# Altium PCB DAC_Sources.PcbDoc (part 4 of 9)
Units mil, origin at the board's own origin, x right, y up, seen from the top; angles counter-clockwise.
Board outline 10905.51 x 5393.7 mil, 8 copper layers (Top Layer, GND_02, SIG_03, PWR_04, PWR_05, SIG_06, GND_07, Bottom Layer), stack 65.69 mil thick; 663 components, 464 nets, 2338 pads, 2140 vias.
Unrouted connection lines stored in the file: 515.
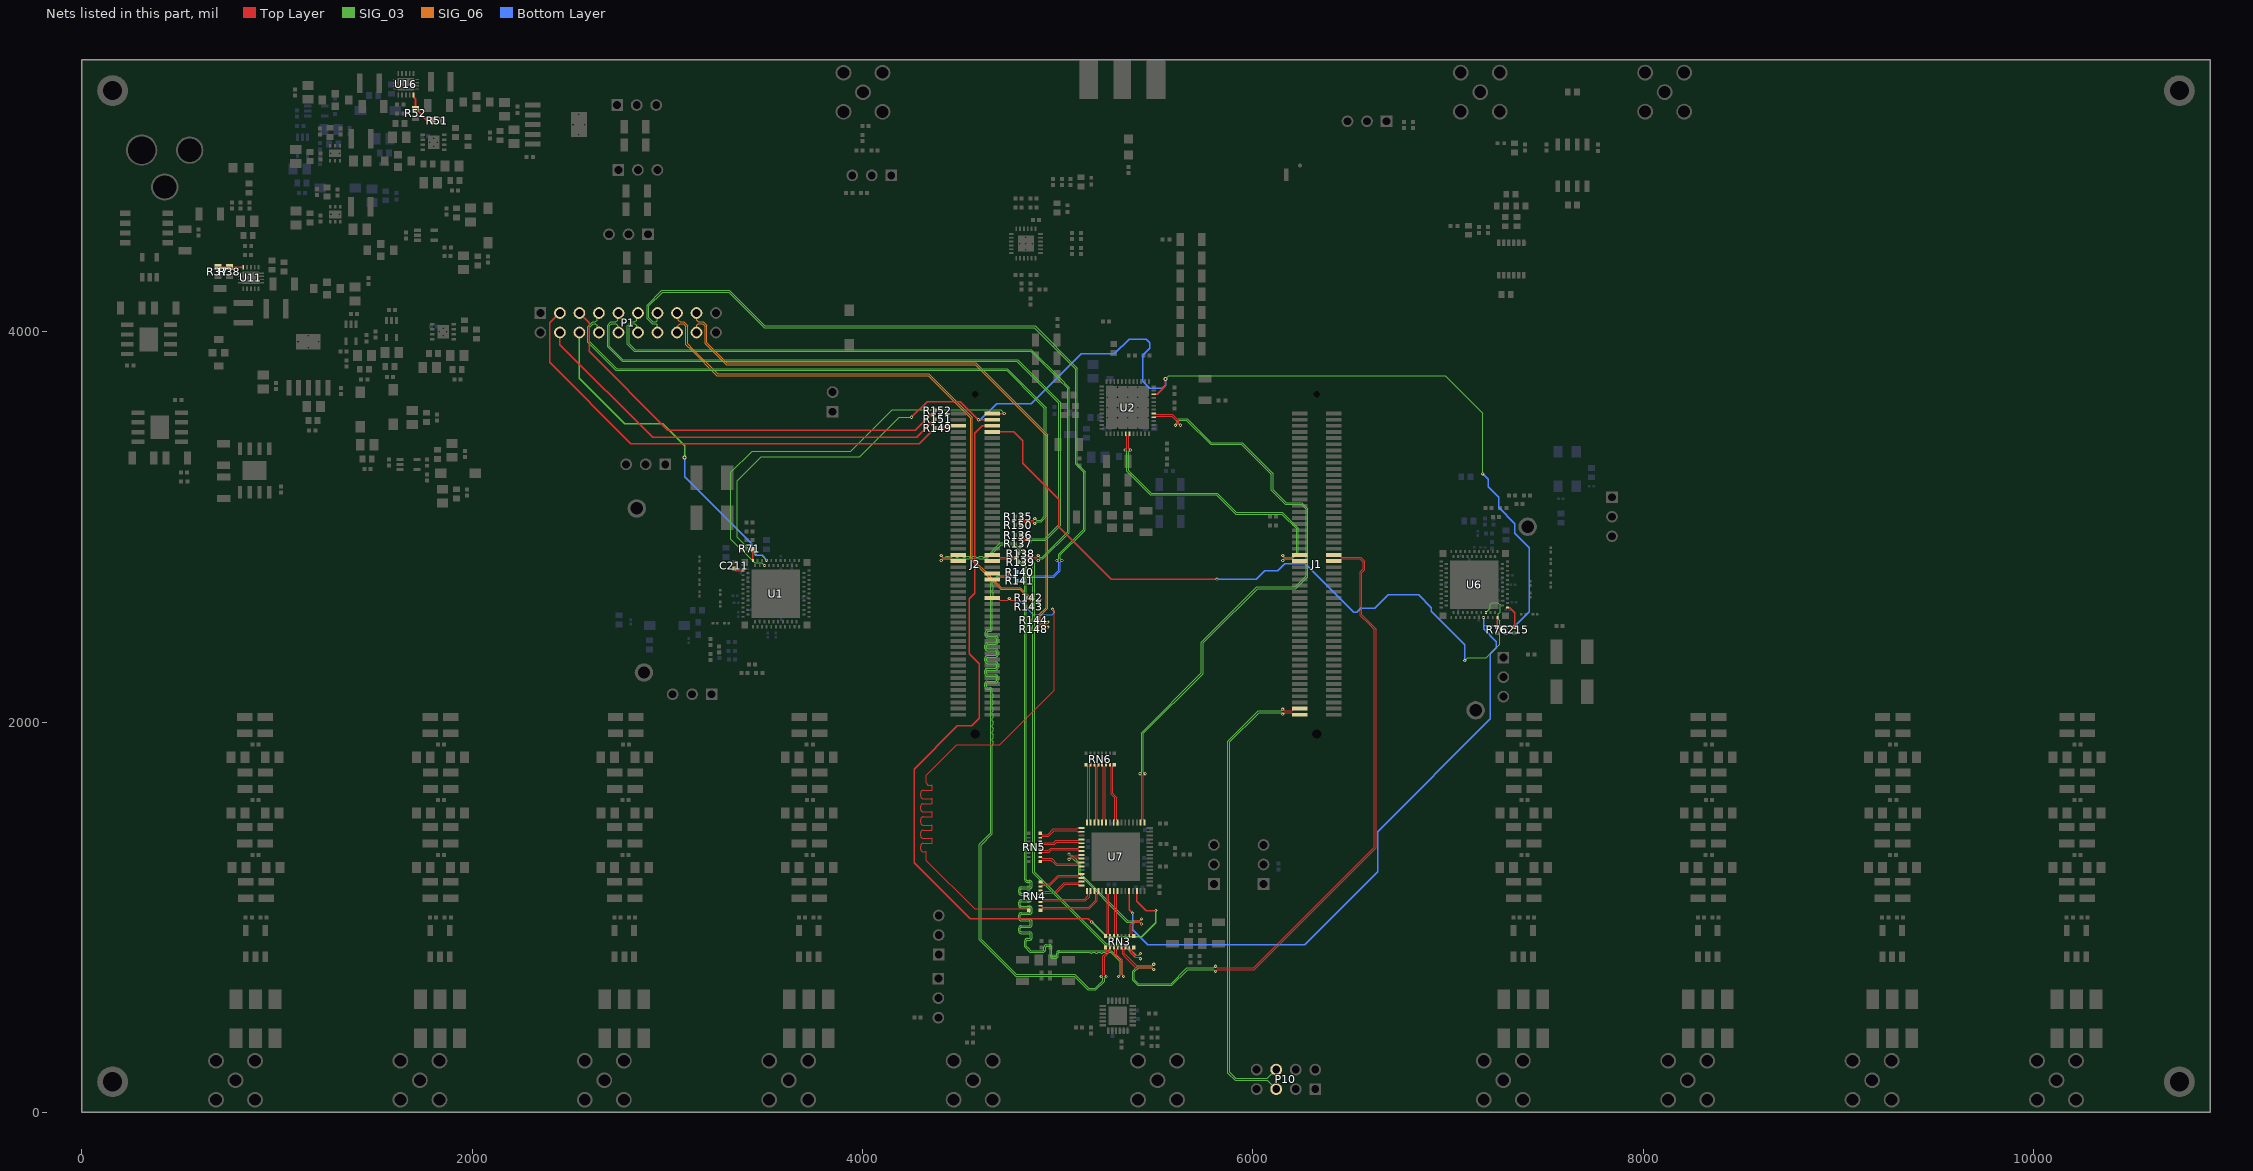
[diagram p10: the nets of this part, all layers, seen from the top]

## Via types
v1: diameter 16, hole 8, Top Layer to Bottom Layer, tented both sides, 1452 vias
v2: diameter 20, hole 10, Top Layer to Bottom Layer, tented both sides, 509 vias
v3: diameter 10, hole 6, Top Layer to Bottom Layer, tented both sides, 65 vias
v4: diameter 23.62, hole 11.81, Top Layer to Bottom Layer, tented top, 59 vias
v5: diameter 24, hole 12, Top Layer to Bottom Layer, tented top, 34 vias
v6: diameter 24, hole 12, Top Layer to Bottom Layer, tented both sides, 15 vias
v7: diameter 23.62, hole 11.81, Top Layer to Bottom Layer, tented both sides, 4 vias
v8: diameter 78.74, hole 39.37, Top Layer to Bottom Layer, tented both sides, 2 vias

## Nets (pads, with @x,y where several pads share a name; then routed paths per layer and width w, separated by ;. In a path a pad name is that pad's centre, name@x,y a point inside that pad or via, vN(x,y) a via of type N, cw(c..) or ccw(c..) an arc to the next point about the centre after c; other vN are vias at no path point) (continued)
ADC_D11_P: J2.61 R142.2 RN4.16 | length 3322.9
  Top Layer w5: J2.61@4664.37,2636.5 4693.9,2636.5 4701.24,2629.15 4701.24,2628.29 4704.28,2625.25 4743.35,2625.25 v1(4751.85,2633.75) 4760.35,2625.25 4792.2,2625.25 4798.87,2618.58 4817.7,2618.58 4824.77,2618.58 4827.7,2621.51 4827.7,2629.48 R142.2@4835.43,2637.22 ; RN4.16@4852.36,1035.91 4850.89,1035.91 4842.8,1043.99 4775.68,1043.99 4574.12,1043.99 4328.01,1290.1 4328.01,1306.3 4328.01,1330.85 ccw(c4323.01,1330.85) 4323.01,1335.85 4312.01,1335.85 cw(c4312.01,1349.85) 4298.01,1349.85 4298.01,1364.85 cw(c4312.01,1364.85) 4312.01,1378.85 4353.01,1378.85 ccw(c4353.01,1383.85) 4358.01,1383.85 4358.01,1398.85 ccw(c4353.01,1398.85) 4353.01,1403.85 4312.01,1403.85 cw(c4312.01,1417.85) 4298.01,1417.85 4298.01,1432.85 cw(c4312.01,1432.85) 4312.01,1446.85 4353.01,1446.85 ccw(c4353.01,1451.85) 4358.01,1451.85 4358.01,1466.85 ccw(c4353.01,1466.85) 4353.01,1471.85 4312.01,1471.85 cw(c4312.01,1485.85) 4298.01,1485.85 4298.01,1500.85 cw(c4312.01,1500.85) 4312.01,1514.85 4353.01,1514.85 ccw(c4353.01,1519.85) 4358.01,1519.85 4358.01,1534.85 ccw(c4353.01,1534.85) 4353.01,1539.85 4312.01,1539.85 cw(c4312.01,1553.85) 4298.01,1553.85 4298.01,1568.85 cw(c4312.01,1568.85) 4312.01,1582.85 4353.01,1582.85 ccw(c4353.01,1587.85) 4358.01,1587.85 4358.01,1602.85 ccw(c4353.01,1602.85) 4353.01,1607.85 4312.01,1607.85 cw(c4312.01,1621.85) 4298.01,1621.85 4298.01,1636.85 cw(c4312.01,1636.85) 4312.01,1650.85 4353.01,1650.85 ccw(c4353.01,1655.85) 4358.01,1655.85 4358.01,1670.85 ccw(c4353.01,1670.85) 4353.01,1675.85 4342.01,1675.85 cw(c4342.01,1689.85) 4328.01,1689.85 4328.01,1696.85 4328.01,1728.92 4483.67,1884.59 4704.28,1884.59 4983.07,2163.39 4983.07,2295.67 4983.07,2456.3 4983.07,2570.63 v1(4974.57,2579.13)
  Bottom Layer w5: v1(4751.85,2633.75) 4760.35,2625.25 4799.89,2625.25 4850.95,2574.19 4874.02,2551.13 4973.57,2551.13 4983.07,2560.63 4983.07,2570.63 v1(4974.57,2579.13)
ADC_D12_N: J2.55 R141.2 RN3.9 | length 3530.4
  Top Layer w5: J2.55@4664.37,2730.98 4693.9,2730.98 4701.24,2738.33 4701.24,2739.04 4704.44,2742.23 4743.35,2742.23 v1(4751.85,2733.73) ; v1(5222.63,697.24) 5231.13,705.74 5231.13,801.21 5236.4,806.48 5240.38,810.46 5252.43,822.51 5252.43,835.4 5251.22,836.61 5251.22,839.8 RN3.9@5245.35,845.67
  SIG_03 w4: v1(4751.85,2733.73) 4743.35,2742.23 4696.85,2742.23 4665.75,2711.13 4665.75,2700.23 4670.99,2694.99 4670.99,2682 4665.75,2676.76 4665.75,2665.85 4670.99,2660.62 4670.99,2647.62 4665.75,2642.39 4665.75,2612.52 4665.75,2478.79 cw(c4651.95,2478.79) 4651.95,2464.99 4642.96,2464.99 ccw(c4642.96,2460.19) 4638.16,2460.19 4638.16,2445.79 ccw(c4642.96,2445.79) 4642.96,2440.99 4681.95,2440.99 cw(c4681.95,2427.19) 4695.75,2427.19 4695.75,2412.79 cw(c4681.95,2412.79) 4681.95,2398.99 4640.55,2398.99 ccw(c4640.55,2394.19) 4635.75,2394.19 4635.75,2379.79 ccw(c4640.55,2379.79) 4640.55,2374.99 4681.95,2374.99 cw(c4681.95,2361.19) 4695.75,2361.19 4695.75,2346.79 cw(c4681.95,2346.79) 4681.95,2332.99 4640.55,2332.99 ccw(c4640.55,2328.19) 4635.75,2328.19 4635.75,2313.79 ccw(c4640.55,2313.79) 4640.55,2308.99 4681.95,2308.99 cw(c4681.95,2295.19) 4695.75,2295.19 4695.75,2280.79 cw(c4681.95,2280.79) 4681.95,2266.99 4640.55,2266.99 ccw(c4640.55,2262.19) 4635.75,2262.19 4635.75,2247.79 ccw(c4640.55,2247.79) 4640.55,2242.99 4681.95,2242.99 cw(c4681.95,2229.19) 4695.75,2229.19 4695.75,2214.79 cw(c4681.95,2214.79) 4681.95,2200.99 4640.55,2200.99 ccw(c4640.55,2196.19) 4635.75,2196.19 4635.75,2181.79 ccw(c4640.55,2181.79) 4640.55,2176.99 4651.95,2176.99 cw(c4651.95,2163.19) 4665.75,2163.19 4665.75,2156.69 4665.75,2145.79 4670.99,2140.55 4670.99,2127.56 4665.75,2122.32 4665.75,2111.42 4670.99,2106.18 4670.99,2093.19 4665.75,2087.95 4665.75,2077.05 4670.99,2071.81 4670.99,2058.82 4665.75,2053.58 4665.75,2042.67 4670.99,2037.44 4670.99,2024.44 4665.75,2019.21 4665.75,2008.3 4670.99,2003.06 4670.99,1990.07 4665.75,1984.83 4665.75,1973.93 4670.99,1968.69 4670.99,1955.7 4665.75,1950.46 4665.75,1939.56 4670.99,1934.32 4670.99,1921.33 4665.75,1916.09 4665.75,1905.19 4670.99,1899.95 4670.99,1886.96 4665.75,1881.72 4665.75,1428.61 4607.48,1370.34 4607.48,888.32 4788.32,707.48 5087.8,707.48 5158.66,636.61 5192.78,636.61 5231.13,674.96 5231.13,688.74 v1(5222.63,697.24)
  Bottom Layer w5: v1(4751.85,2733.73) 4760.35,2742.23 4766.12,2742.23 ; 4769.85,2742.23 4766.12,2742.23 ; R141.2@4789.76,2723.62 4771.15,2742.23 4766.12,2742.23
ADC_D12_P: J2.53 R140.2 RN3.10 | length 3527.2
  Top Layer w5: J2.53@4664.37,2762.48 4693.9,2762.48 4701.24,2755.14 4701.24,2754.27 4704.28,2751.23 4743.35,2751.23 v1(4751.85,2759.73) ; 5240.13,744.26 5240.13,705.74 v1(5248.63,697.24) ; 5240.13,744.92 5240.13,797.48 5249.38,806.73 5261.43,818.78 5261.43,834.39 5265.37,838.33 5266.08,838.33 5268.5,840.75 RN3.10@5268.5,845.67
  SIG_03 w4: v1(4751.85,2759.73) 4743.35,2751.23 4693.12,2751.23 4656.75,2714.86 4656.75,2612.52 4656.75,2478.79 cw(c4651.95,2478.79) 4651.95,2473.99 4642.96,2473.99 ccw(c4642.96,2460.19) 4629.16,2460.19 4629.16,2445.79 ccw(c4642.96,2445.79) 4642.96,2431.99 4681.95,2431.99 cw(c4681.95,2427.19) 4686.75,2427.19 4686.75,2412.79 cw(c4681.95,2412.79) 4681.95,2407.99 4640.55,2407.99 ccw(c4640.55,2394.19) 4626.75,2394.19 4626.75,2379.79 ccw(c4640.55,2379.79) 4640.55,2365.99 4681.95,2365.99 cw(c4681.95,2361.19) 4686.75,2361.19 4686.75,2346.79 cw(c4681.95,2346.79) 4681.95,2341.99 4640.55,2341.99 ccw(c4640.55,2328.19) 4626.75,2328.19 4626.75,2313.79 ccw(c4640.55,2313.79) 4640.55,2299.99 4681.95,2299.99 cw(c4681.95,2295.19) 4686.75,2295.19 4686.75,2280.79 cw(c4681.95,2280.79) 4681.95,2275.99 4640.55,2275.99 ccw(c4640.55,2262.19) 4626.75,2262.19 4626.75,2247.79 ccw(c4640.55,2247.79) 4640.55,2233.99 4681.95,2233.99 cw(c4681.95,2229.19) 4686.75,2229.19 4686.75,2214.79 cw(c4681.95,2214.79) 4681.95,2209.99 4640.55,2209.99 ccw(c4640.55,2196.19) 4626.75,2196.19 4626.75,2181.79 ccw(c4640.55,2181.79) 4640.55,2167.99 4651.95,2167.99 cw(c4651.95,2163.19) 4656.75,2163.19 4656.75,2156.69 4656.75,1432.34 4598.48,1374.07 4598.48,884.59 4784.59,698.48 5084.07,698.48 5154.93,627.61 5196.51,627.61 5240.13,671.23 5240.13,688.74 v1(5248.63,697.24)
  Bottom Layer w5: v1(4751.85,2759.73) 4760.35,2751.23 4772.89,2751.23 R140.2@4789.76,2768.11
ADC_D13_N: J2.49 R139.2 RN3.11 | length 3530.3
  Top Layer w5: J2.49@4664.37,2825.47 4693.9,2825.47 4701.24,2832.81 4701.24,2833.52 4704.44,2836.72 4743.35,2836.72 v1(4751.85,2828.22) 4760.35,2836.72 4777.06,2836.72 R139.2@4795.28,2818.5 ; RN3.11@5288.19,845.67 5288.19,840.75 5293.53,835.41 5293.53,805.68 5298.8,800.41 5320.89,778.32 5320.89,705.74 v1(5312.39,697.24)
  SIG_03 w4: v1(4751.85,2828.22) 4760.35,2836.72 4783.75,2836.72 4803.94,2816.54 4824.73,2795.75 4830.31,2790.16 4830.31,1200.16 4830.31,1193.66 ccw(c4844.11,1193.66) 4844.11,1179.86 4855.52,1179.86 cw(c4855.52,1175.06) 4860.32,1175.06 4860.31,1160.66 cw(c4855.52,1160.66) 4855.52,1155.86 4814.11,1155.86 ccw(c4814.11,1142.06) 4800.31,1142.06 4800.31,1127.66 ccw(c4814.11,1127.66) 4814.11,1113.86 4855.52,1113.86 cw(c4855.52,1109.06) 4860.32,1109.06 4860.31,1094.66 cw(c4855.52,1094.66) 4855.52,1089.86 4814.11,1089.86 ccw(c4814.11,1076.06) 4800.31,1076.06 4800.31,1061.66 ccw(c4814.11,1061.66) 4814.11,1047.86 4855.52,1047.86 cw(c4855.52,1043.06) 4860.32,1043.06 4860.31,1028.66 cw(c4855.52,1028.66) 4855.52,1023.86 4814.11,1023.86 ccw(c4814.11,1010.06) 4800.31,1010.06 4800.31,995.66 ccw(c4814.11,995.66) 4814.11,981.86 4855.52,981.86 cw(c4855.52,977.06) 4860.32,977.06 4860.31,962.66 cw(c4855.52,962.66) 4855.52,957.86 4814.11,957.86 ccw(c4814.11,944.06) 4800.31,944.06 4800.31,929.66 ccw(c4814.11,929.66) 4814.11,915.86 4855.52,915.86 cw(c4855.52,911.06) 4860.32,911.06 4860.31,896.66 cw(c4855.52,896.66) 4855.52,891.86 4844.11,891.86 ccw(c4844.11,878.06) 4830.31,878.06 4830.31,848.03 4835.59,842.76 4852.21,826.14 4857.48,820.87 4917.72,820.87 4924.22,820.87 ccw(c4924.22,834.67) 4938.02,834.67 4938.02,846.07 cw(c4942.82,846.07) 4942.82,850.87 4957.22,850.87 cw(c4957.22,846.07) 4962.02,846.07 4962.02,804.67 ccw(c4975.82,804.67) 4975.82,790.87 4990.22,790.87 ccw(c4990.22,804.67) 5004.02,804.67 5004.02,816.07 cw(c5008.82,816.07) 5008.82,820.87 5108.66,820.87 5164.59,820.87 5168.92,816.55 5175.95,816.55 5180.33,820.93 5191.3,820.93 5195.69,816.55 5202.72,816.55 5207.1,820.93 5218.07,820.93 5222.46,816.55 5229.49,816.55 5233.88,820.93 5244.84,820.93 5249.23,816.55 5256.26,816.55 5260.65,820.93 5271.62,820.93 ; 5271.68,820.87 5320.89,771.65 5320.89,705.74 v1(5312.39,697.24)
ADC_D13_P: J2.47 R138.2 RN3.12 | length 3530.1
  Top Layer w5: J2.47@4664.37,2856.97 4693.9,2856.97 4701.24,2849.63 4701.24,2848.76 4704.28,2845.72 4743.35,2845.72 v1(4751.85,2854.22) 4760.35,2845.72 4777.22,2845.72 R138.2@4795.28,2863.78 ; RN3.12@5307.87,845.67 5307.87,840.75 5302.53,835.41 5302.53,809.41 5329.89,782.05 5329.89,744.92 ; 5329.89,744.26 5329.89,705.74 v1(5338.39,697.24)
  SIG_03 w4: v1(4751.85,2854.22) 4760.35,2845.72 4787.48,2845.72 4810.3,2822.9 4816.66,2816.54 4839.31,2793.89 4839.31,1200.16 4839.31,1193.66 ccw(c4844.11,1193.66) 4844.11,1188.86 4855.52,1188.86 cw(c4855.52,1175.06) 4869.32,1175.06 4869.31,1160.66 cw(c4855.52,1160.66) 4855.52,1146.86 4814.11,1146.86 ccw(c4814.11,1142.06) 4809.31,1142.06 4809.31,1127.66 ccw(c4814.11,1127.66) 4814.11,1122.86 4855.52,1122.86 cw(c4855.52,1109.06) 4869.32,1109.06 4869.31,1094.66 cw(c4855.52,1094.66) 4855.52,1080.86 4814.11,1080.86 ccw(c4814.11,1076.06) 4809.31,1076.06 4809.31,1061.66 ccw(c4814.11,1061.66) 4814.11,1056.86 4855.52,1056.86 cw(c4855.52,1043.06) 4869.32,1043.06 4869.31,1028.66 cw(c4855.52,1028.66) 4855.52,1014.86 4814.11,1014.86 ccw(c4814.11,1010.06) 4809.31,1010.06 4809.31,995.66 ccw(c4814.11,995.66) 4814.11,990.86 4855.52,990.86 cw(c4855.52,977.06) 4869.32,977.06 4869.31,962.66 cw(c4855.52,962.66) 4855.52,948.86 4814.11,948.86 ccw(c4814.11,944.06) 4809.31,944.06 4809.31,929.66 ccw(c4814.11,929.66) 4814.11,924.86 4855.52,924.86 cw(c4855.52,911.06) 4869.32,911.06 4869.31,896.66 cw(c4855.52,896.66) 4855.52,882.86 4844.11,882.86 ccw(c4844.11,878.06) 4839.31,878.06 4839.31,851.76 4839.95,851.12 4848.31,842.76 4861.21,829.87 4917.72,829.87 4924.22,829.87 ccw(c4924.22,834.67) 4929.02,834.67 4929.02,846.07 cw(c4942.82,846.07) 4942.82,859.87 4957.22,859.87 cw(c4957.22,846.07) 4971.02,846.07 4971.02,804.67 ccw(c4975.82,804.67) 4975.82,799.87 4990.22,799.87 ccw(c4990.22,804.67) 4995.02,804.67 4995.02,816.07 cw(c5008.82,816.07) 5008.82,829.87 5108.66,829.87 5275.41,829.87 5329.89,775.38 5329.89,705.74 v1(5338.39,697.24)
ADC_DCLK_N: J2.50 RN3.15 | length 3049.7
  Top Layer w5: v1(4403.66,2828.22) 4412.16,2836.72 4451.08,2836.72 4454.27,2833.52 4454.27,2832.81 4461.61,2825.47 J2.50@4491.14,2825.47 ; RN3.15@5366.93,845.67 5366.93,840.75 5369.35,838.33 5370.07,838.33 5374,834.39 5374,817.2 5394.91,796.3 5415.12,796.3 v1(5423.62,787.8)
  SIG_03 w4: v1(4403.66,2828.22) 4412.16,2836.72 4638.03,2836.72 4710.37,2909.06 4775.2,2909.06 4872.89,2811.36 4872.89,1227.37 5245.88,854.39 5340.62,854.39 5398.71,796.3 5415.12,796.3 v1(5423.62,787.8)
ADC_DCLK_P: J2.48 RN3.16 | length 3060.3
  Top Layer w5: v1(4403.66,2854.22) 4412.16,2845.72 4451.23,2845.72 4454.27,2848.76 4454.27,2849.63 4461.61,2856.97 J2.48@4491.14,2856.97 ; RN3.16@5390.08,845.67 5384.21,839.8 5384.21,836.61 5383,835.4 5383,820.93 5398.64,805.3 5415.12,805.3 v1(5423.62,813.8)
  SIG_03 w4: v1(4403.66,2854.22) 4412.16,2845.72 4423.07,2845.72 4428.3,2850.96 4441.3,2850.96 4446.53,2845.72 ; 4446.69,2845.72 4457.6,2845.72 4462.83,2850.96 4475.83,2850.96 4481.06,2845.72 4491.97,2845.72 4497.21,2850.96 4510.2,2850.96 4515.44,2845.72 4526.34,2845.72 4531.58,2850.96 4544.57,2850.96 4549.81,2845.72 4560.71,2845.72 4565.95,2850.96 4578.94,2850.96 4584.18,2845.72 4595.08,2845.72 4600.32,2850.96 4613.31,2850.96 4618.55,2845.72 4634.3,2845.72 4706.64,2918.06 4778.92,2918.06 4881.89,2815.09 4881.89,1231.1 5249.61,863.39 5344.35,863.39 5402.44,805.3 5415.12,805.3 v1(5423.62,813.8)
ADC_OR_N: J1.49 RN3.13 | length 3574.5
  Top Layer w5: RN3.13@5327.56,845.67 5327.56,840.75 5332.9,835.41 5332.9,810.28 5344.03,799.15 5401.39,741.79 5484.06,741.79 v1(5492.56,733.29) ; v1(5809.06,749.21) 5817.56,740.71 6004.1,740.71 6622.44,1359.06 6622.44,2473.49 6592.85,2503.08 6550,2545.93 6550,2770.08 6565.35,2785.43 6565.35,2820.47 6553.94,2831.89 6549.11,2836.72 6464.97,2836.72 6454.17,2836.72 6451.24,2833.79 6451.24,2832.81 6443.9,2825.47 J1.49@6414.37,2825.47
  SIG_03 w4: v1(5492.56,733.29) 5484.06,741.79 5415.02,741.79 5393.7,720.47 5393.7,680.31 5413.39,660.63 5582.15,660.63 5662.24,740.71 5800.56,740.71 v1(5809.06,749.21)
ADC_OR_P: J1.47 RN3.14 | length 3618.6
  Top Layer w5: RN3.14@5347.24,845.67 5347.24,840.75 5341.9,835.41 5341.9,814 5350.39,805.51 5359.1,796.8 5405.12,750.79 5444.88,750.79 ; 5445.54,750.79 5484.06,750.79 v1(5492.56,759.29) ; v1(5809.06,723.21) 5817.56,731.71 6007.83,731.71 6631.44,1355.33 6631.44,2477.22 6559,2549.66 6559,2766.35 6574.35,2781.71 6574.35,2824.2 6552.83,2845.72 6461.24,2845.72 6454.17,2845.72 6451.24,2848.65 6451.24,2849.63 6443.9,2856.97 J1.47@6414.37,2856.97
  SIG_03 w4: v1(5492.56,759.29) 5484.06,750.79 5411.29,750.79 5384.7,724.2 5384.7,676.59 5407.02,654.27 5409.66,651.63 5585.88,651.63 5665.96,731.71 5800.56,731.71 v1(5809.06,723.21)
ADCCLK_N: U2.17 U7.2 | length 3164.6
  Top Layer w5: v1(5422.04,1735.43) 5430.54,1726.93 5430.54,1501.81 5425.2,1496.47 U7.2@5425.2,1485.47 ; U2.17@5492.91,3581.89 5500,3581.89 5502.22,3579.67 5502.22,3579.48 5505.15,3576.55 5588.41,3576.55 5621.04,3543.93 5621.04,3529.76 v1(5629.54,3521.26)
  SIG_03 w4: v1(5422.04,1735.43) 5430.54,1743.93 5430.54,1946.81 5736.61,2252.89 5736.61,2409.45 5741.89,2414.72 5781.5,2454.33 6015.2,2688.03 6020.47,2693.31 6216.54,2693.31 6273.23,2750 6273.23,3090.55 6247.98,3115.8 6167.27,3115.8 6095.72,3187.35 6095.72,3269.63 5941.73,3423.62 5783.46,3423.62 5660.24,3546.85 5624.95,3546.85 5621.04,3542.93 5621.04,3529.76 v1(5629.54,3521.26)
ADCCLK_P: U2.16 U7.1 | length 3179.5
  Top Layer w5: U7.1@5444.88,1485.47 5444.88,1496.47 5439.54,1501.81 5439.54,1726.93 v1(5448.04,1735.43) ; U2.16@5492.91,3562.2 5500,3562.2 5502.22,3564.43 5502.22,3564.62 5505.15,3567.55 5584.69,3567.55 5612.04,3540.2 5612.04,3529.76 v1(5603.54,3521.26)
  SIG_03 w4: v1(5448.04,1735.43) 5439.54,1743.93 5439.54,1943.08 5745.61,2249.16 5745.61,2405.72 5790.5,2450.6 6024.2,2684.31 6220.26,2684.31 6282.23,2746.27 6282.23,3094.28 6251.7,3124.8 6171,3124.8 6104.72,3191.07 6104.72,3273.36 5945.46,3432.62 5787.19,3432.62 5663.96,3555.85 5621.23,3555.85 5612.04,3546.66 5612.04,3529.76 v1(5603.54,3521.26)
BIASJ_DAC1: R71.1 U1.A33 | length 59.1
  Top Layer w7.5: U1.A33@3438.19,2827.48 R71.1@3438.19,2886.61
BIASJ_DAC2: R76.1 U6.A33 | length 47.3
  Top Layer w7.5: R76.1@7251.97,2488.58 7253.15,2489.76 U6.A33@7253.15,2535.43
CS_DAC1: J2.1 U1.B28 | length 2174.2
  Top Layer w7.5: J2.1@4664.37,3581.38 v1(4726.65,3581.38)
  SIG_03 w6: v3@3496.41,2801.89 v3(3497.24,2801.89) 3482.99,2816.14 3448.03,2816.14 3325.98,2938.19 3325.98,3279.92 3434.25,3388.19 3939.76,3388.19 4152.36,3600.79 4707.24,3600.79 v1(4726.65,3581.38)
CS_DAC2: J2.7 U6.B28 | length 3787.6
  Top Layer w7.5: J2.7@4664.37,3486.89 4775.71,3486.89 4821.65,3440.94 4821.65,3327.56 5005.91,3143.31 5005.91,3002.36 5275.2,2733.07 v1(5816.54,2733.07)
  SIG_03 w6: v1(7086.22,2314.96) 7101.57,2330.31 7196.85,2330.31 7266.54,2400 7266.54,2519.29 7258.66,2527.17 7258.66,2554.72 7267.06,2563.12 7267.06,2600.73 7254.79,2612.99 7226.38,2612.99 7217.32,2603.94 7217.32,2584.25 v3(7194.09,2561.02)
  Bottom Layer w7.5: v1(5816.54,2733.07) 6018.72,2733.07 6062.01,2776.36 6127.26,2776.36 6163.28,2812.39 6268.72,2812.39 6516.93,2564.17 6533.07,2564.17 6551.97,2583.07 6625.2,2583.07 6694.09,2651.97 6849.61,2651.97 6914.89,2586.68 6914.89,2568.57 7086.22,2397.24 v1(7086.22,2314.96)
CS_EXTERNAL_COMP: J2.6 R149.1 | length 95.2
  Top Layer w7.5: R149.1@4400.79,3506.69 4418.5,3506.69 4430.2,3518.39 J2.6@4491.14,3518.39
CSB_ADC: J2.5 U7.46 | length 4176.4
  Top Layer w7.5: J2.5@4664.37,3518.39 4614.45,3518.39 4576.38,3480.32 4576.38,2660.24 4547.64,2631.5 4547.64,2351.57 4598.82,2300.39 4598.82,2020.87 4558.66,1980.71 4486.22,1980.71 4264.57,1759.06 4264.57,1279.92 4551.57,992.91 5157.87,992.91 v1(5174.8,975.98) ; U7.46@5405.51,1135.47 5405.51,1083.07 5454.33,1034.25 v1(5503.15,1034.25)
  SIG_03 w7.5: v1(5174.8,975.98) 5250.79,900 5431.1,900 5503.15,972.05 v1(5503.15,1034.25)
DCLK_N: RN3.2 U7.24 | length 741.2
  Top Layer w5: v1(5058.22,1323.47) 5066.72,1314.97 5105.9,1314.97 5111.24,1320.31 U7.24@5122.24,1320.31 ; RN3.2@5366.93,904.72 5366.93,909.65 5369.35,912.07 5370.07,912.07 5372.99,915 5372.99,961.18 5395.06,983.25 5420.24,983.25 v1(5428.74,991.75)
  SIG_03 w4: v1(5058.22,1323.47) 5066.72,1314.97 5076.17,1314.97 5116.48,1274.66 5116.48,1225.78 5359.01,983.25 5420.24,983.25 v1(5428.74,991.75)
DCLK_P: RN3.1 U7.25 | length 726
  Top Layer w5: v1(5058.22,1297.47) 5066.72,1305.97 5105.24,1305.97 ; 5105.9,1305.97 5111.24,1300.63 U7.25@5122.24,1300.63 ; RN3.1@5390.08,904.72 5390.08,906.2 5381.99,914.28 5381.99,957.46 5398.79,974.25 5420.24,974.25 v1(5428.74,965.75)
  SIG_03 w4: v1(5058.22,1297.47) 5066.72,1305.97 5072.44,1305.97 5107.48,1270.93 5107.48,1222.05 5355.28,974.25 5420.24,974.25 v1(5428.74,965.75)
DEF1: R37.1 R38.2 U11.5 | length 129.7
  Top Layer w9: R37.1@697.64,4331.89 698.03,4331.5 U11.5@827.17,4331.5
DEF2: R51.1 R52.2 U16.5 | length 188.2
  Top Layer w9: U16.5@1700.2,5213.39 1700.42,5213.16 1700.42,5201.94 1710.24,5192.13 R52.2@1710.24,5142.52
  Top Layer w10: R52.2@1710.24,5142.52 1770.47,5082.28 R51.1@1798.43,5082.28
DOUT0_N: RN6.8 U7.8 | length 310.1
  Top Layer w5: RN6.8@5290.51,1781.5 5290.51,1780.02 5282.43,1771.94 5282.43,1634.63 5296.47,1620.59 5301.74,1615.31 5301.74,1501.81 ; U7.8@5303.47,1501.25 U7.8@5306.69,1498.03 ; U7.8@5304.59,1487.97 U7.8@5307.09,1485.47 U7.8@5307.09,1496.47
DOUT0_P: RN6.7 U7.9 | length 309.2
  Top Layer w5: RN6.7@5267.36,1781.5 5267.36,1776.57 5269.78,1774.15 5270.5,1774.15 5273.43,1771.22 5273.43,1630.9 5292.74,1611.59 5292.74,1501.81 5287.4,1496.47 U7.9@5287.4,1485.47
DOUT1_N: RN6.6 U7.11 | length 300.3
  Top Layer w5: RN6.6@5247.68,1781.5 5247.68,1776.57 5242.69,1771.59 5242.69,1501.81 5248.03,1496.47 U7.11@5248.03,1485.47
DOUT1_P: RN6.5 U7.12 | length 300.6
  Top Layer w5: RN6.5@5227.99,1781.5 5227.99,1776.57 5233.69,1770.88 5233.69,1501.81 5228.35,1496.47 U7.12@5228.35,1485.47
DOUT2_N: RN6.4 U7.13 | length 300.3
  Top Layer w5: RN6.4@5208.31,1781.5 5208.31,1776.57 5203.32,1771.59 5203.32,1501.81 5208.66,1496.47 U7.13@5208.66,1485.47
DOUT2_P: RN6.3 U7.14 | length 300.8
  Top Layer w5: RN6.3@5188.62,1781.5 5188.62,1776.57 5191.04,1774.15 5191.39,1774.15 5194.32,1771.22 5194.32,1501.81 5188.98,1496.47 U7.14@5188.98,1485.47
DOUT3_N: RN6.2 U7.15 | length 300.3
  Top Layer w5: RN6.2@5168.94,1781.5 5168.94,1776.57 5163.95,1771.59 5163.95,1501.81 5169.29,1496.47 U7.15@5169.29,1485.47
DOUT3_P: RN6.1 U7.16 | length 302
  Top Layer w5: RN6.1@5145.79,1781.5 5154.95,1772.33 5154.95,1501.81 5149.61,1496.47 U7.16@5149.61,1485.47
DOUT4_N: RN5.8 U7.17 | length 228.7
  Top Layer w5: RN5.8@4910.63,1431.02 4916.5,1425.16 4919.69,1425.16 4920.9,1423.95 4949.93,1423.95 4978.75,1452.77 5098.4,1452.77 5103.74,1458.11 U7.17@5122.24,1458.11
DOUT4_P: RN5.7 U7.18 | length 229.7
  Top Layer w5: RN5.7@4910.63,1407.87 4915.55,1407.87 4917.97,1410.3 4917.97,1412.02 4920.9,1414.95 4953.66,1414.95 4982.48,1443.77 5098.4,1443.77 5103.74,1438.43 U7.18@5122.24,1438.43
DOUT5_N: RN5.6 U7.20 | length 220.5
  Top Layer w5: RN5.6@4910.63,1388.19 4915.55,1388.19 4920.89,1382.85 4980.35,1382.85 4991.22,1393.71 5105.9,1393.71 5111.24,1399.06 U7.20@5122.24,1399.06
DOUT5_P: RN5.5 U7.21 | length 220.5
  Top Layer w5: RN5.5@4910.63,1368.5 4915.55,1368.5 4920.89,1373.85 4984.08,1373.85 4994.95,1384.71 5105.9,1384.71 5111.24,1379.37 U7.21@5122.24,1379.37
DOUT6_N: RN5.4 U7.22 | length 220.5
  Top Layer w5: RN5.4@4910.63,1348.82 4915.55,1348.82 4920.89,1343.48 4952.8,1343.48 4958.39,1349.07 4963.66,1354.34 5105.9,1354.34 5111.24,1359.69 U7.22@5122.24,1359.69
DOUT6_P: RN5.3 U7.23 | length 220.5
  Top Layer w5: RN5.3@4910.63,1329.13 4915.55,1329.13 4920.89,1334.48 4956.52,1334.48 4967.39,1345.34 5105.9,1345.34 5111.24,1340 U7.23@5122.24,1340
DOUT7_N: RN5.2 U7.26 | length 228.3
  Top Layer w5: RN5.2@4910.63,1309.45 4915.55,1309.45 4917.97,1307.03 4917.97,1306.31 4921.91,1302.37 4969.02,1302.37 4995.79,1275.6 5105.9,1275.6 5111.24,1280.94 U7.26@5122.24,1280.94
DOUT7_P: RN5.1 U7.27 | length 227.8
  Top Layer w5: RN5.1@4910.63,1286.3 4916.5,1292.17 4919.69,1292.17 4920.9,1293.37 4965.29,1293.37 4982.28,1276.38 4992.06,1266.6 5105.9,1266.6 5111.24,1261.26 U7.27@5122.24,1261.26
DOUT8_N: RN4.8 U7.29 | length 234.6
  Top Layer w5: RN4.8@4911.42,1180.63 4912.89,1180.63 4920.98,1172.55 4959.16,1172.55 4997.89,1211.27 5003.16,1216.55 5105.9,1216.55 5111.24,1221.89 U7.29@5122.24,1221.89
DOUT8_P: RN4.7 U7.30 | length 234.2
  Top Layer w5: RN4.7@4911.42,1157.48 4916.34,1157.48 4918.76,1159.9 4918.76,1160.62 4921.69,1163.55 4962.89,1163.55 5006.89,1207.55 5105.9,1207.55 5111.24,1202.2 U7.30@5122.24,1202.2
DOUT9_N: RN4.6 U7.31 | length 233.8
  Top Layer w5: RN4.6@4911.42,1137.8 4916.34,1137.8 4921.68,1132.45 4990.2,1132.45 5029.65,1171.9 5034.92,1177.18 5105.9,1177.18 5111.24,1182.52 U7.31@5122.24,1182.52
DOUT9_P: RN4.5 U7.32 | length 233.8
  Top Layer w5: RN4.5@4911.42,1118.11 4916.34,1118.11 4921.68,1123.45 4993.93,1123.45 5038.65,1168.18 5105.9,1168.18 5111.24,1162.83 U7.32@5122.24,1162.83
DOUT10_N: RN4.4 U7.33 | length 280.3
  Top Layer w5: RN4.4@4911.42,1098.43 4916.34,1098.43 4921.68,1093.08 5137.8,1093.08 5154.95,1110.24 5154.95,1119.13 5149.61,1124.47 U7.33@5149.61,1135.47
DOUT10_P: RN4.3 U7.34 | length 295.2
  Top Layer w5: RN4.3@4911.42,1078.74 4916.34,1078.74 4921.68,1084.08 5141.52,1084.08 5163.95,1106.51 5163.95,1119.13 5169.29,1124.47 U7.34@5169.29,1135.47
DOUT11_N: RN4.2 U7.35 | length 351.8
  Top Layer w5: RN4.2@4911.42,1059.05 4916.34,1059.05 4918.76,1056.63 4918.76,1054.91 4921.69,1051.98 5158.9,1051.98 5194.32,1087.4 5194.32,1119.13 5188.98,1124.47 U7.35@5188.98,1135.47
DOUT11_P: RN4.1 U7.36 | length 365.7
  Top Layer w5: RN4.1@4911.42,1035.91 4917.28,1041.77 4920.48,1041.77 4921.69,1042.98 5162.63,1042.98 5203.32,1083.67 5203.32,1119.13 5208.66,1124.47 U7.36@5208.66,1135.47
DOUT12_N: RN3.8 U7.38 | length 236.3
  Top Layer w5: RN3.8@5245.35,904.72 5245.35,906.2 5253.44,914.28 5253.44,947.16 5253.37,947.22 5253.37,1119.13 5248.03,1124.47 U7.38@5248.03,1135.47
DOUT12_P: RN3.7 U7.39 | length 235.9
  Top Layer w5: U7.39@5267.72,1135.47 5267.72,1124.47 5262.37,1119.13 5262.37,950.95 5262.44,950.88 5262.44,915 5265.37,912.07 5266.08,912.07 5268.5,909.65 RN3.7@5268.5,904.72
DOUT13_N: RN3.6 U7.40 | length 235.5
  Top Layer w5: U7.40@5287.4,1135.47 5287.4,1124.47 5293.53,1118.34 5293.53,1011.15 5293.53,914.99 5288.19,909.65 RN3.6@5288.19,904.72
DOUT13_P: RN3.5 U7.41 | length 234.8
  Top Layer w5: U7.41@5307.09,1135.47 5307.09,1124.47 5302.53,1119.92 5302.53,1007.42 5302.53,914.99 5307.87,909.65 RN3.5@5307.87,904.72
DXP0_N: J1.100 P10.6 | length 2397.3
  Top Layer w5: v1(6153.66,2040.82) 6162.16,2049.32 6200.68,2049.32 6204.27,2045.73 6204.27,2045.41 6211.61,2038.07 J1.100@6241.14,2038.07
  SIG_03 w4: P10.6@6119.69,219.69 6074.19,174.19 5912.6,174.19 5881.5,205.29 5881.5,1898.82 6032,2049.32 6145.16,2049.32 v1(6153.66,2040.82)
DXP0_P: J1.98 P10.5 | length 2427.5
  Top Layer w5: v1(6153.66,2066.82) 6162.16,2058.32 6201.34,2058.32 6204.27,2061.25 6204.27,2062.22 6211.61,2069.57 J1.98@6241.14,2069.57
  SIG_03 w4: P10.5@6119.69,119.69 6074.19,165.19 5908.87,165.19 5872.5,201.56 5872.5,1902.55 6028.27,2058.32 6145.16,2058.32 v1(6153.66,2066.82)
EX_SPI_CLK: P1.4 R151.1 | length 2215.4
  Top Layer w7.5: P1.4@2449.61,3996.46 2449.61,3935.04 2924.8,3459.84 4277.56,3459.84 R151.1@4368.9,3551.18
EX_SPI_MISO: J2.3 P1.6 U1.A30 U2.22 U6.A30 U7.44 | length 11551.6
  Top Layer w7.5: v1(4251.18,3562.2) 4331.5,3642.52 4501.18,3642.52 v1(4594.49,3549.21) J2.3@4629.13,3549.21 ; U7.44@5366.14,1135.47 5366.14,1039.37 v1(5384.25,1021.26) ; U2.22@5492.91,3680.32 5511.42,3680.32 5552.36,3721.26 v2(5552.36,3759.06)
  SIG_03 w6: v3(3509.06,2830.31) 3484.25,2855.12 3449.61,2855.12 3357.72,2947.01 3357.72,3236.03 3480.74,3359.06 3985.04,3359.06 4188.19,3562.2 v1(4251.18,3562.2) ; v2(5552.36,3759.06) 5568.5,3775.2 6987.01,3775.2 7178.74,3583.46 7178.74,3272.44 v1(7178.15,3271.85) v1@7177.56,3271.26
  SIG_03 w7.5: P1.6@2549.61,3996.46 2549.61,3761.42 2782.68,3528.35 2976.77,3528.35 3088.98,3416.14 v2(3088.98,3355.91)
  Bottom Layer w7.5: P1.6@2549.61,3996.46 P1.6@2559.65,3986.41 ; v2(3088.98,3355.91) 3088.98,3258.27 3431.89,2915.35 3431.89,2881.1 3459.01,2853.98 3485.39,2853.98 v3(3509.06,2830.31) ; v1(4594.49,3549.21) 4604.72,3549.21 4687.8,3632.28 4865.75,3632.28 5120.71,3887.24 5290.87,3887.24 5366.22,3962.6 5454.33,3962.6 5472.83,3944.09 5472.83,3916.3 5436.93,3880.39 5436.93,3746.54 5471.65,3711.81 5537.91,3711.81 5542.3,3716.2 5552.78,3726.68 5552.78,3758.64 v2(5552.36,3759.06) ; v1(5384.25,1021.26) 5384.25,937.4 5462.6,859.06 6265.75,859.06 6639.34,1232.65 6639.34,1438.55 7217.72,2016.93 7217.72,2351.18 7247.64,2381.1 7247.64,2412.6 7182.28,2477.95 7182.28,2496.85 ; v1(7178.15,3271.85) 7205.91,3244.09 7205.91,3206.21 7259.77,3152.34 7259.77,3100.46 7343.31,3016.93 7343.31,2967.32 7416.14,2894.49 7416.14,2565.47 7344.37,2493.7 7185.43,2493.7 7182.28,2496.85 ; v3(7182.28,2535.43) 7182.28,2496.85
EXT_COM_0_N: P1.8 R150.1 | length 3360.9
  Top Layer w5: R150.1@4812.99,3009.06 4820.73,3016.79 4820.73,3023.87 4823.66,3026.8 4874.15,3026.8 v1(4882.65,3018.3)
  SIG_03 w4: P1.8@2649.61,3996.46 2640.21,4005.85 2640.21,4032.46 2630.71,4041.96 2620.88,4041.96 2601.57,4022.65 2601.57,3949.61 2739.76,3811.42 4741.73,3811.42 4941.4,3611.75 4941.4,3051.25 4922.23,3032.07 4916.96,3026.8 4891.15,3026.8 v1(4882.65,3018.3)
EXT_COM_0_P: P1.7 R135.1 | length 3360.9
  Top Layer w5: R135.1@4812.99,3053.54 4820.73,3045.81 4820.73,3038.73 4823.66,3035.8 4874.15,3035.8 v1(4882.65,3044.3)
  SIG_03 w4: P1.7@2649.61,4096.46 2640.21,4087.06 2640.21,4060.46 2630.71,4050.96 2617.15,4050.96 2592.57,4026.38 2592.57,3945.88 2736.04,3802.42 4738,3802.42 4895.21,3645.21 4932.4,3608.02 4932.4,3054.97 4913.23,3035.8 4892.6,3035.8 4884.1,3044.3 v1(4882.65,3044.3)
EXT_COM_1_N: P1.10 R137.1 | length 3506.3
  Top Layer w5: R137.1@4812.99,2913.78 4820.73,2921.52 4820.73,2928.59 4823.66,2931.52 4849.92,2931.52 v1(4858.42,2923.02)
  SIG_03 w4: P1.10@2749.61,3996.46 2744.93,4001.13 2744.93,4032.46 2735.43,4041.96 2714.79,4041.96 2703.09,4030.26 2703.09,3926.17 2772.23,3857.03 4795.46,3857.03 4831.95,3820.54 5012.72,3639.77 5015.35,3637.14 5015.35,3008.14 4938.74,2931.52 4866.92,2931.52 v1(4858.42,2923.02)
EXT_COM_1_P: P1.9 R136.1 | length 3506.3
  Top Layer w5: R136.1@4812.99,2958.27 4820.73,2950.53 4820.73,2943.45 4823.66,2940.52 4849.92,2940.52 v1(4858.42,2949.02)
  SIG_03 w4: P1.9@2749.61,4096.46 2744.93,4091.78 2744.93,4060.46 2735.43,4050.96 2711.06,4050.96 2694.09,4033.99 2694.09,3922.44 2768.5,3848.03 4791.73,3848.03 4819.23,3820.54 4825.59,3814.17 5006.35,3633.41 5006.35,3011.87 4935.01,2940.52 4866.92,2940.52 v1(4858.42,2949.02)
EXT_COM_2_N: P1.12 R139.1 | length 3574.9
  Top Layer w5: R139.1@4826.77,2818.5 4834.51,2826.24 4834.51,2833.71 4837.44,2836.64 4892.33,2836.64 v1(4900.83,2828.14)
  SIG_03 w4: P1.12@2849.61,3996.46 2843.75,4002.31 2843.75,4032.46 2834.25,4041.96 2819.12,4041.96 2804.33,4027.17 2804.33,3939.5 2835.22,3908.61 4865.15,3908.61 5010.3,3763.45 5057.33,3716.43 5059.96,3713.79 5059.96,2971.62 4924.99,2836.64 4909.33,2836.64 v1(4900.83,2828.14)
EXT_COM_2_P: P1.11 R138.1 | length 3574.2
  Top Layer w5: R138.1@4826.77,2863.78 4834.51,2856.04 4834.51,2848.57 4837.44,2845.64 4853.15,2845.64 ; 4853.81,2845.64 4892.33,2845.64 v1(4900.83,2854.14)
  SIG_03 w4: P1.11@2849.61,4096.46 2843.75,4090.6 2843.75,4060.46 2834.25,4050.96 2815.39,4050.96 2795.33,4030.89 2795.33,3935.77 2831.5,3899.61 4861.42,3899.61 4997.57,3763.45 5003.94,3757.09 5050.96,3710.06 5050.96,2975.34 4921.26,2845.64 4909.33,2845.64 v1(4900.83,2854.14)
EXT_COM_3_N: P1.14 R141.1 | length 3904.5
  SIG_03 w4: P1.14@2949.61,3996.46 2949.61,4036.84 2944.49,4041.96 2922.09,4041.96 2896.51,4067.53 2896.51,4136.41 2971.86,4211.76 3317.38,4211.76 3499.27,4029.87 4884.04,4029.87 5101.18,3812.73 5101.18,3324.02 5141.68,3283.52 5141.68,2984.59 5136.41,2979.32 5013.72,2856.64 5013.72,2836.85 v1(5022.22,2828.35)
  Bottom Layer w5: R141.1@4821.26,2723.62 4839,2741.37 4980.11,2741.37 5013.72,2774.98 5013.72,2819.85 v1(5022.22,2828.35)
EXT_COM_3_P: P1.13 R140.1 | length 3844.9
  SIG_03 w4: P1.13@2949.61,4096.46 2949.61,4056.07 2944.49,4050.96 2925.81,4050.96 2905.51,4071.26 2905.51,4132.68 2975.59,4202.76 3313.65,4202.76 3495.54,4020.87 4880.31,4020.87 5092.18,3809 5092.18,3320.29 5132.68,3279.79 5132.68,2988.32 5004.72,2860.37 5004.72,2836.85 v1(4996.22,2828.35)
  Bottom Layer w5: R140.1@4821.26,2768.11 4839,2750.37 4976.38,2750.37 5004.72,2778.71 5004.72,2819.85 v1(4996.22,2828.35)
EXT_COM_4_N: P1.16 R143.1 | length 3023.3
  Top Layer w5: R143.1@4866.93,2590.94 4874.67,2598.68 4874.67,2606.65 4877.59,2609.58 4888.39,2609.58 4896.79,2609.58 4905.29,2601.08 v1(4908.27,2601.08)
  SIG_06 w4: P1.16@3049.61,3996.46 3057.04,4003.89 3057.04,4032.46 3066.54,4041.96 3080.88,4041.96 3094.88,4027.95 3094.88,3934.12 3124.07,3904.93 ; 3126.71,3902.3 3253.81,3775.2 4336.61,3775.2 4435.83,3675.98 4554.39,3557.43 4554.39,2834.07 4651.9,2736.55 4708.08,2680.37 4805.14,2680.37 4875.93,2609.58 4899.77,2609.58 v1(4908.27,2601.08)
EXT_COM_4_P: P1.15 R142.1 | length 3027
  Top Layer w5: R142.1@4866.93,2637.22 4874.67,2629.48 4874.67,2621.51 4877.59,2618.58 4884.67,2618.58 4896.79,2618.58 4905.29,2627.08 v1(4908.27,2627.08)
  SIG_06 w4: P1.15@3049.61,4096.46 3057.04,4089.03 3057.04,4060.46 3066.54,4050.96 3084.61,4050.96 3103.88,4031.68 3103.88,3937.85 3130.43,3911.3 3257.54,3784.2 4340.34,3784.2 4563.39,3561.15 4563.39,2837.8 4651.9,2749.28 4658.27,2742.91 4711.81,2689.37 4808.87,2689.37 4879.66,2618.58 4899.77,2618.58 v1(4908.27,2627.08)
EXT_COM_5_N: P1.18 R148.1 | length 3227.4
  Top Layer w5: R148.1@4892.13,2477.17 4899.86,2484.9 4899.86,2492.18 4902.79,2495.11 4913.59,2495.11 4941.89,2495.11 v1(4950.39,2486.61)
  SIG_06 w4: P1.18@3149.61,3996.46 3149.61,4032.51 3159.06,4041.96 3181.67,4041.96 3194.09,4029.53 3194.09,3939.63 3199.37,3934.36 3296.57,3837.16 3301.84,3831.89 4576.77,3831.89 4671.65,3737.01 4940.94,3467.72 4940.94,2587.14 4906.9,2553.09 4901.63,2547.82 4901.63,2510.57 4906.9,2505.3 4911.83,2500.38 4917.1,2495.11 4941.89,2495.11 v1(4950.39,2486.61)
EXT_COM_5_P: P1.17 R144.1 | length 3227.4
  Top Layer w5: R144.1@4892.13,2522.05 4899.86,2514.31 4899.86,2507.04 4902.79,2504.11 4909.86,2504.11 4941.89,2504.11 v1(4950.39,2512.61)
  SIG_06 w4: P1.17@3149.61,4096.46 3149.61,4060.41 3159.06,4050.96 3185.39,4050.96 3203.09,4033.26 3203.09,3943.36 3305.57,3840.89 4580.5,3840.89 4949.94,3471.44 4949.94,2583.41 4910.63,2544.09 4910.63,2514.3 4920.83,2504.11 4941.89,2504.11 v1(4950.39,2512.61)
EXT_CS_EXTERNAL_COMP: P1.3 R149.2 | length 2454
  Top Layer w7.5: P1.3@2449.61,4096.46 2445.67,4096.46 2396.85,4047.64 2396.85,3844.49 2813.78,3427.56 4290.16,3427.56 R149.2@4369.29,3506.69
EXT_SDO: P1.5 R152.2 | length 2195.5
  Top Layer w7.5: P1.5@2549.61,4096.46 2598.82,4047.24 2598.82,3899.61 3001.57,3496.85 4270.47,3496.85 R152.2@4369.29,3595.67
EXTIO_DAC1: C211.1 U1.A34 | length 49
  Top Layer w7.5: C211.1@3342.13,2786.22 3352.05,2776.3 U1.A34@3387.01,2776.3
EXTIO_DAC2: C215.1 U6.A34 | length 120
  Top Layer w7.5: U6.A34@7304.33,2586.61 7315.75,2586.61 7341.34,2561.02 C215.1@7341.34,2488.58
FPGA_CLK_N: J1.50 U2.7 | length 1508.6
  Top Layer w5: U2.7@5368.9,3477.56 5368.9,3470.47 5366.67,3468.25 5366.48,3468.25 5363.56,3465.32 5363.56,3402.98 v1(5372.05,3394.49) ; v1(6153.66,2828.22) 6162.16,2836.72 6200.68,2836.72 6204.27,2833.13 6204.27,2832.81 6211.61,2825.47 J1.50@6241.14,2825.47
  SIG_03 w4: v1(5372.05,3394.49) 5363.55,3385.99 5363.55,3289.21 5478.8,3173.96 5816.59,3173.96 5915.41,3075.14 6152.15,3075.14 6233.41,2993.89 6233.41,2866.8 6203.33,2836.72 6162.16,2836.72 v1(6153.66,2828.22)
FPGA_CLK_P: J1.48 U2.6 | length 1494
  Top Layer w5: v1(5346.05,3394.49) 5354.56,3403 5354.56,3465.32 5351.63,3468.25 5351.44,3468.25 5349.21,3470.47 U2.6@5349.21,3477.56 ; v1(6153.66,2854.22) 6162.16,2845.72 6201.34,2845.72 6204.27,2848.65 6204.27,2849.63 6211.61,2856.97 J1.48@6241.14,2856.97
  SIG_03 w4: v1(5346.05,3394.49) 5354.55,3385.99 5354.55,3285.48 5475.07,3164.96 5812.86,3164.96 5911.68,3066.14 6148.43,3066.14 6224.41,2990.16 6224.41,2870.52 6199.61,2845.72 6162.16,2845.72 v1(6153.66,2854.22)